# KiCad board RKD07_Assemble_ZWEI.kicad_pcb
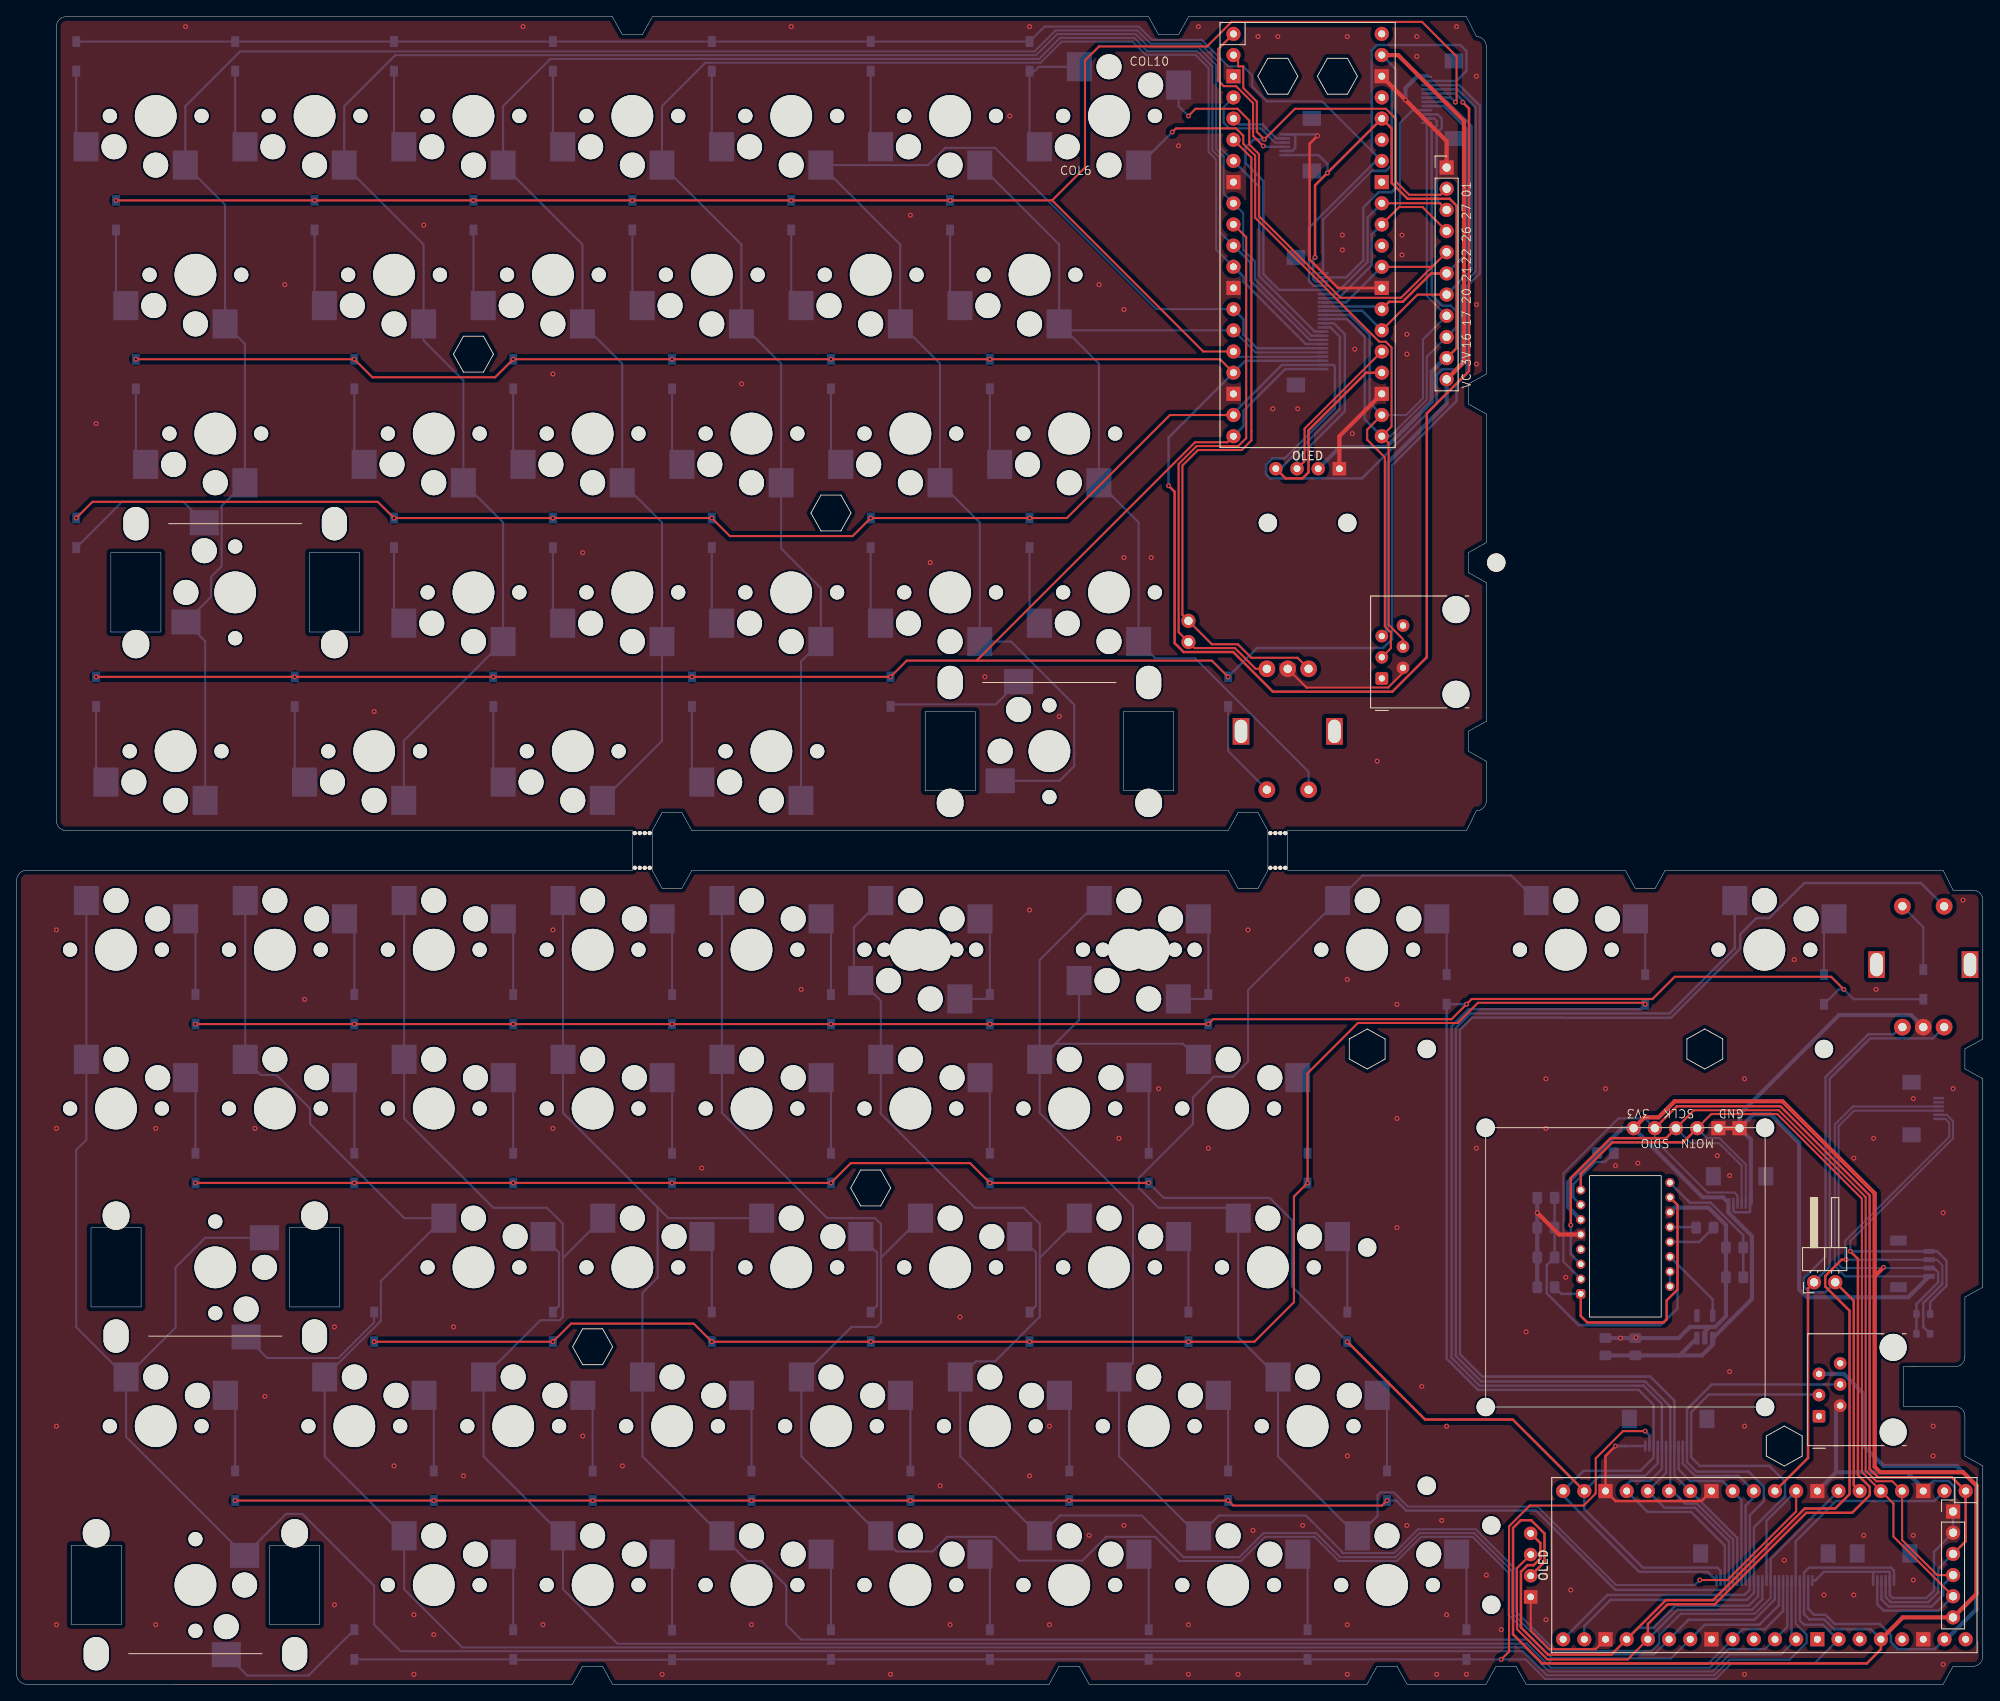
[diagram p0: board, top side]
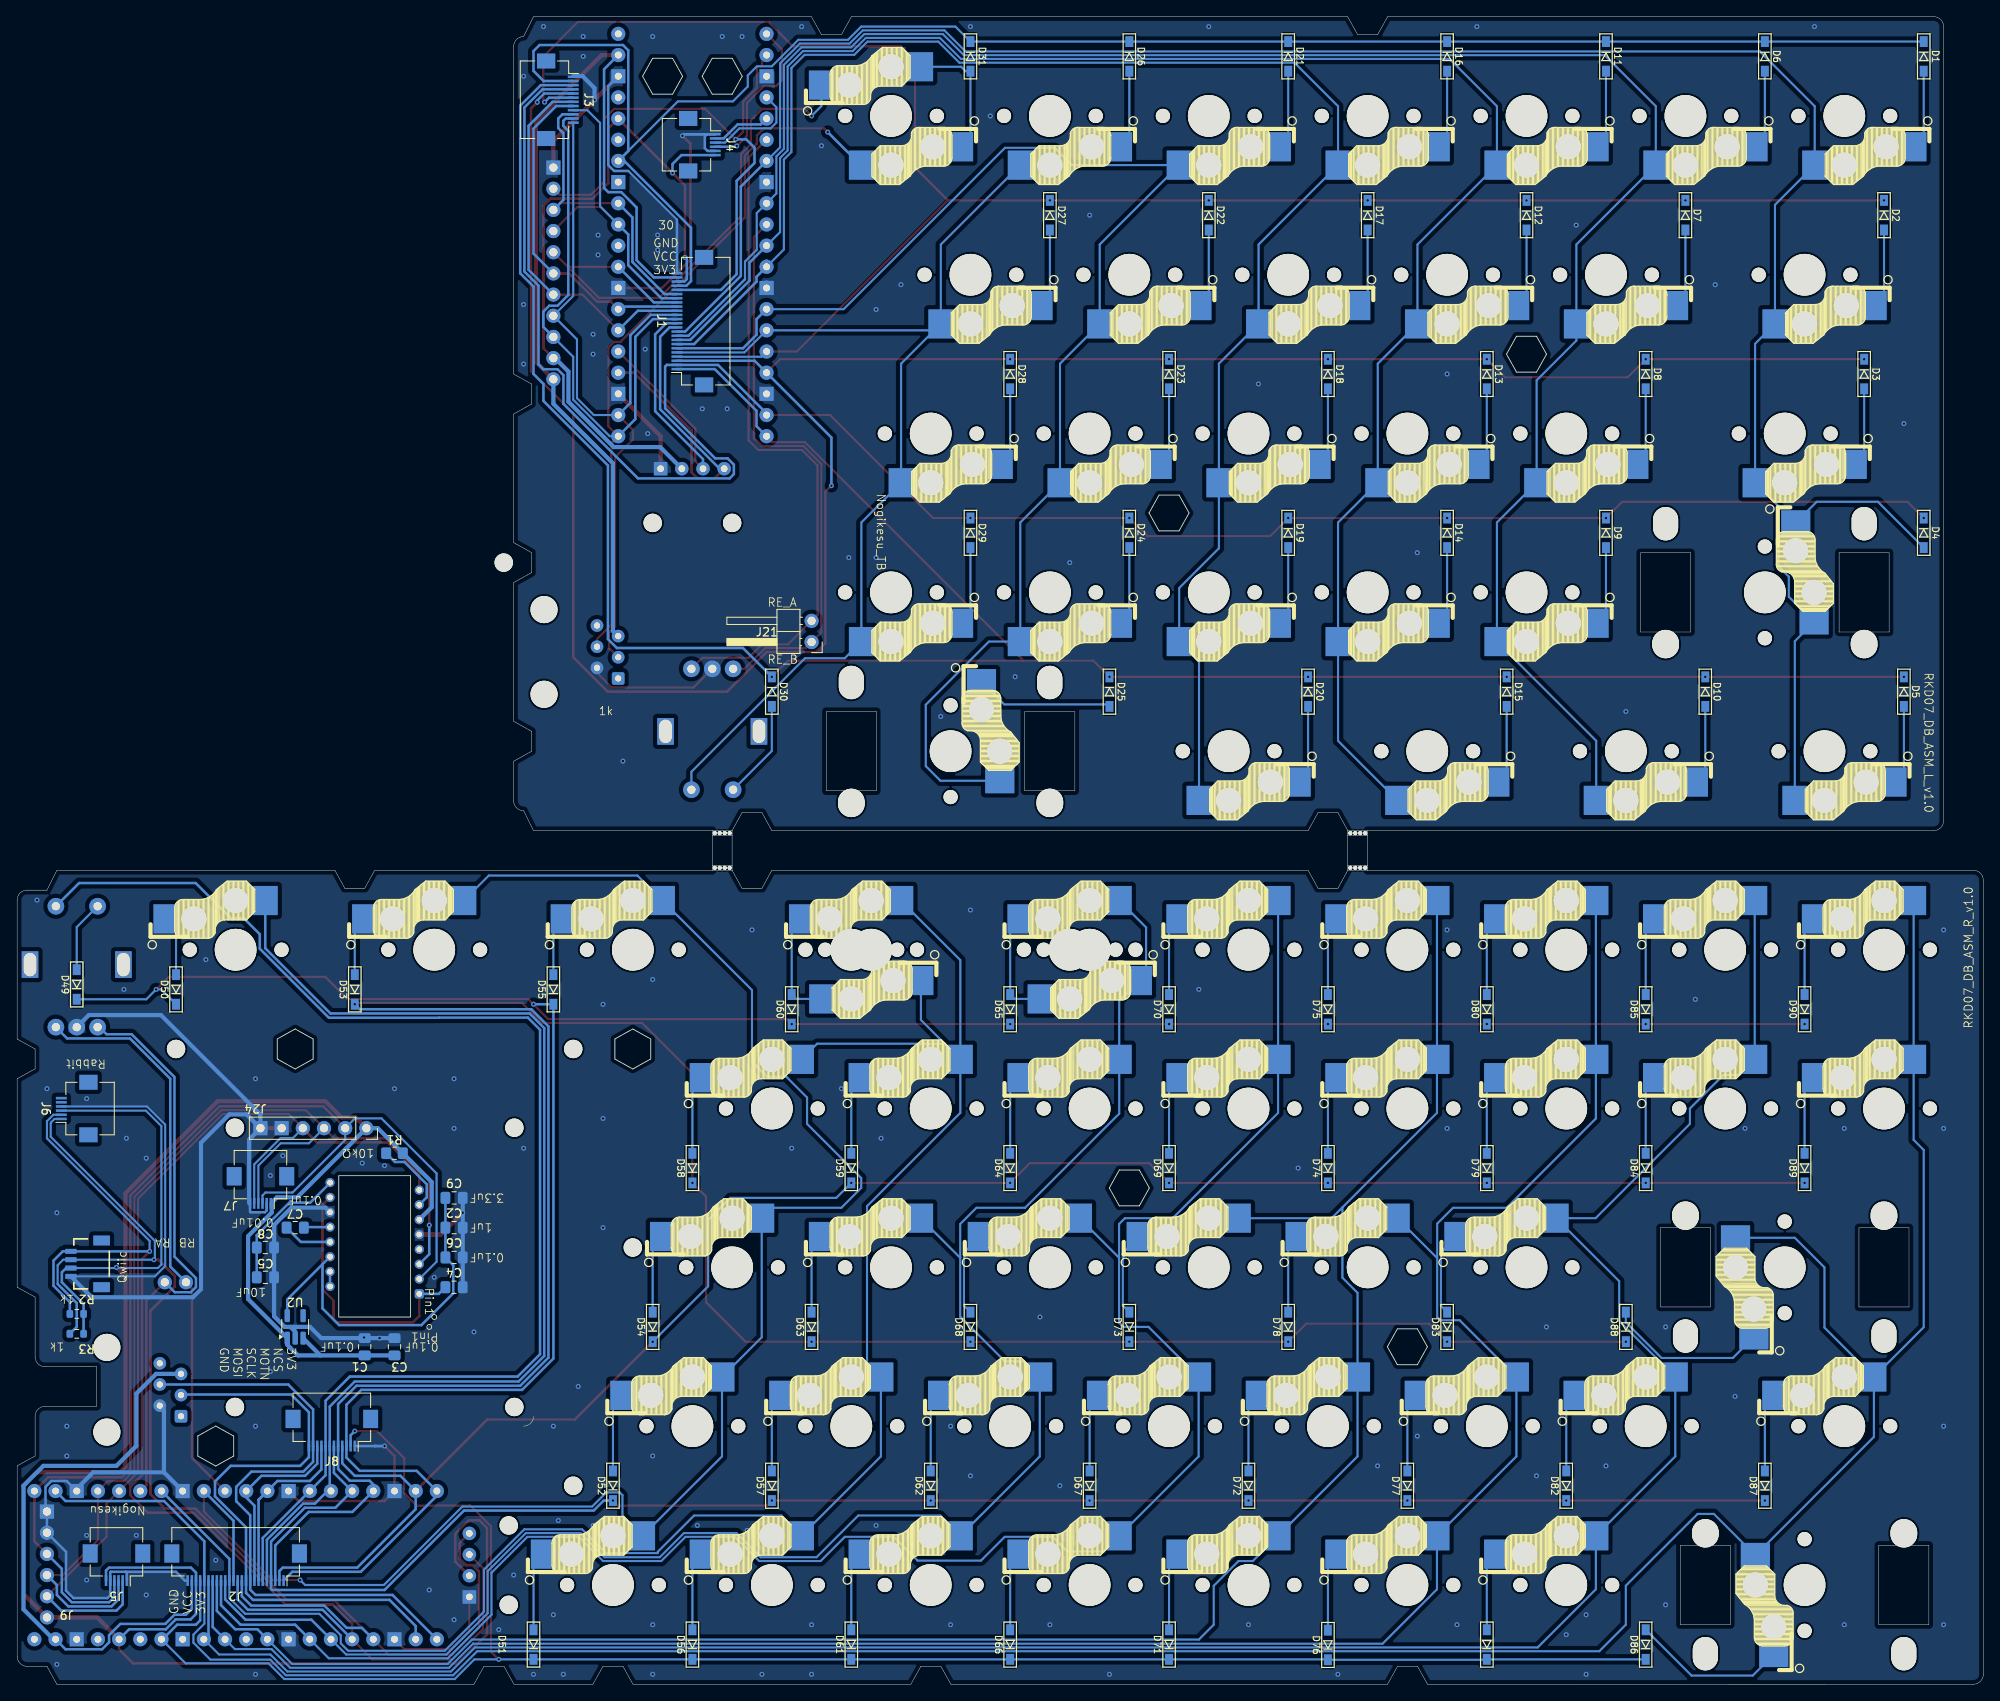
[diagram p1: board, bottom side, seen from below]

Outline 235.74 x 200.03 mm; copper layers: Top, Bottom. Coordinates in mm from the lower left corner of the outline.
Outline path: 0,96.45 arc(0.35,97.29) 1.19,97.64 73.82,97.64 ; 0,96.44 0,1.19 arc(0.35,0.35) 1.19,0.01 ; 73.82,102.4 5.95,102.4 arc(5.11,102.75) 4.76,103.59 4.76,198.84 arc(5.11,199.69) 5.95,200.03 71.42,200.03 72.62,197.88 75.02,197.88 76.22,200.03 135.71,200.03 136.91,197.88 139.31,197.88 140.51,200.03 173.83,200.03 175.02,197.65 arc(175.86,197.3) 176.21,196.46 176.21,157.17 174.06,155.97 174.06,153.57 176.21,152.37 176.21,136.95 174.06,135.75 174.06,133.35 176.21,132.15 176.21,115.52 174.06,114.32 174.06,111.92 176.21,110.72 176.21,105.97 arc(175.86,105.13) 175.01,104.78 173.83,102.4 152.4,102.4 ; 1.19,0 66.64,0.01 67.84,2.16 70.24,2.16 71.44,0.01 123.79,0.01 124.99,2.16 127.39,2.16 128.59,0.01 161.91,0.01 163.11,2.16 165.51,2.16 166.71,0.01 176.18,0.01 177.38,2.16 179.78,2.16 180.98,0.01 230.98,0.01 232.17,2.16 234.55,2.16 arc(235.4,2.51) 235.74,3.36 235.74,26.2 233.59,27.38 233.59,32.16 arc(233.24,33) 232.39,33.35 226.22,33.35 226.22,38.11 232.4,38.1 arc(233.25,38.45) 233.59,39.3 233.59,46.45 235.74,47.63 235.74,72.64 233.59,73.82 233.59,76.22 235.74,77.4 235.74,94.07 ; 73.82,101.81 73.82,98.24 ; 76.2,102.4 77.38,104.55 79.77,104.55 ; 76.2,101.81 76.2,98.24 ; 76.2,97.64 77.38,95.49 79.76,95.49 80.96,97.64 145.26,97.64 146.44,95.49 148.84,95.49 150.02,97.64 ; 79.76,104.55 80.96,102.4 145.26,102.4 146.44,104.55 148.84,104.55 150.02,102.4 ; 150.02,101.81 150.02,98.24 ; 152.4,101.81 152.4,98.24 ; 152.4,97.64 192.88,97.64 194.06,95.49 196.46,95.49 197.64,97.64 230.98,97.64 232.17,95.26 234.55,95.26 arc(235.4,94.91) 235.74,94.06

## Placement (name value [footprint] x y rotation side)
C1  0.1uF X7R  [C_0805_2012Metric_Pad1.18x1.45mm_HandSolder]  194.07 40.49 90 bottom
C2  1uF  [C_0805_2012Metric_Pad1.18x1.45mm_HandSolder]  183.36 54.78 180 bottom
C3  0.1uF X7R  [C_0805_2012Metric_Pad1.18x1.45mm_HandSolder]  190.5 40.49 90 bottom
C4  0.01uF X7R  [C_0805_2012Metric_Pad1.18x1.45mm_HandSolder]  183.36 47.63 180 bottom
C5  10uF X7R  [C_0805_2012Metric_Pad1.18x1.45mm_HandSolder]  205.98 48.82 180 bottom
C6  0.1uF X7R  [C_0805_2012Metric_Pad1.18x1.45mm_HandSolder]  183.36 51.21 180 bottom
C7  0.1uF X7R  [C_0805_2012Metric_Pad1.18x1.45mm_HandSolder]  202.41 54.78 180 bottom
C8  0.01uF X7R  [C_0805_2012Metric_Pad1.18x1.45mm_HandSolder]  205.98 52.4 180 bottom
C9  3.3uF/16V  [C_0805_2012Metric_Pad1.18x1.45mm_HandSolder]  183.36 58.35 180 bottom
D1  D  [Diode_SMD]  7.14 195.27 270 top
D2  D  [Diode_SMD]  11.91 176.22 270 top
D3  D  [Diode_SMD]  14.29 157.17 270 top
D4  D  [Diode_SMD]  7.14 138.12 270 top
D5  D  [Diode_SMD]  9.53 119.07 270 top
D6  D  [Diode_SMD]  26.19 195.27 270 top
D7  D  [Diode_SMD]  35.72 176.22 270 top
D8  D  [Diode_SMD]  40.48 157.17 270 top
D9  D  [Diode_SMD]  45.24 138.12 270 top
D10  D  [Diode_SMD]  33.34 119.07 270 top
D11  D  [Diode_SMD]  45.24 195.27 270 top
D12  D  [Diode_SMD]  54.77 176.22 270 top
D13  D  [Diode_SMD]  59.53 157.17 270 top
D14  D  [Diode_SMD]  64.29 138.12 270 top
D15  D  [Diode_SMD]  57.15 119.07 270 top
D16  D  [Diode_SMD]  64.29 195.27 270 top
D17  D  [Diode_SMD]  73.82 176.22 270 top
D18  D  [Diode_SMD]  78.58 157.17 270 top
D19  D  [Diode_SMD]  83.34 138.12 270 top
D20  D  [Diode_SMD]  80.96 119.07 270 top
D21  D  [Diode_SMD]  83.34 195.27 270 top
D22  D  [Diode_SMD]  92.87 176.22 270 top
D23  D  [Diode_SMD]  97.63 157.17 270 top
D24  D  [Diode_SMD]  102.39 138.12 270 top
D25  D  [Diode_SMD]  104.78 119.07 270 top
D26  D  [Diode_SMD]  102.39 195.27 270 top
D27  D  [Diode_SMD]  111.92 176.22 270 top
D28  D  [Diode_SMD]  116.68 157.17 270 top
D29  D  [Diode_SMD]  121.44 138.12 270 top
D30  D  [Diode_SMD]  145.26 119.07 270 top
D31  D  [Diode_SMD]  121.44 195.27 270 top
D49  D  [Diode_SMD]  228.6 83.95 90 top
D50  D  [Diode_SMD]  216.69 83.35 90 top
D51  D  [Diode_SMD]  173.83 4.77 90 top
D52  D  [Diode_SMD]  164.31 23.82 90 top
D53  D  [Diode_SMD]  195.26 83.35 90 top
D54  D  [Diode_SMD]  159.54 42.87 90 top
D55  D  [Diode_SMD]  171.45 83.35 90 top
D56  D  [Diode_SMD]  154.78 4.77 90 top
D57  D  [Diode_SMD]  145.26 23.82 90 top
D58  D  [Diode_SMD]  154.78 61.92 90 top
D59  D  [Diode_SMD]  135.73 61.92 90 top
D60  D  [Diode_SMD]  142.88 80.97 90 top
D61  D  [Diode_SMD]  135.73 4.77 90 top
D62  D  [Diode_SMD]  126.21 23.82 90 top
D63  D  [Diode_SMD]  140.49 42.87 90 top
D64  D  [Diode_SMD]  116.68 61.92 90 top
D65  D  [Diode_SMD]  116.68 80.97 90 top
D66  D  [Diode_SMD]  116.68 4.77 90 top
D67  D  [Diode_SMD]  107.16 23.82 90 top
D68  D  [Diode_SMD]  121.44 42.87 90 top
D69  D  [Diode_SMD]  97.63 61.92 90 top
D70  D  [Diode_SMD]  97.63 80.97 90 top
D71  D  [Diode_SMD]  97.63 4.77 90 top
D72  D  [Diode_SMD]  88.11 23.82 90 top
D73  D  [Diode_SMD]  102.39 42.87 90 top
D74  D  [Diode_SMD]  78.58 61.92 90 top
D75  D  [Diode_SMD]  78.58 80.97 90 top
D76  D  [Diode_SMD]  78.58 4.72 90 top
D77  D  [Diode_SMD]  69.06 23.82 90 top
D78  D  [Diode_SMD]  83.34 42.87 90 top
D79  D  [Diode_SMD]  59.53 61.92 90 top
D80  D  [Diode_SMD]  59.53 80.97 90 top
D81  D  [Diode_SMD]  59.53 4.77 90 top
D82  D  [Diode_SMD]  50.01 23.82 90 top
D83  D  [Diode_SMD]  64.29 42.87 90 top
D84  D  [Diode_SMD]  40.48 61.92 90 top
D85  D  [Diode_SMD]  40.48 80.97 90 top
D86  D  [Diode_SMD]  40.48 4.77 90 top
D87  D  [Diode_SMD]  26.19 23.82 90 top
D88  D  [Diode_SMD]  42.86 42.87 90 top
D89  D  [Diode_SMD]  21.43 61.92 90 top
D90  D  [Diode_SMD]  21.43 80.97 90 top
hole4  KEY_SWITCH  [rkd_Asm_ChocV2_PCBMountStab_2uL]  26.19 130.98 180 top
hole25  KEY_SWITCH  [rkd_Asm_ChocV2_PCBMountStab_2uL]  123.83 111.93 180 top
hole86  KEY_SWITCH  [rkd_Asm_ChocV2_PCBMountStab_2uL]  21.43 11.92 0 top
hole88  KEY_SWITCH  [rkd_Asm_ChocV2_PCBMountStab_2uL]  23.81 50.02 0 top
J1  Conn_01x24  [Hirose_FH12-24S-0.5SH_1x24-1MP_P0.50mm_Horizontal]  154.78 163.51 90 bottom
J2  Conn_01x24  [Hirose_FH12-24S-0.5SH_1x24-1MP_P0.50mm_Horizontal]  209.55 14.3 0 bottom
J3  Conn_01x12  [Hirose_FH12-12S-0.5SH_1x12-1MP_P0.50mm_Horizontal]  170.92 190.07 270 bottom
J4  Conn_01x06  [Hirose_FH12-6S-0.5SH_1x06-1MP_P0.50mm_Horizontal]  153.89 184.68 270 bottom
J5  Conn_01x06  [Hirose_FH12-6S-0.5SH_1x06-1MP_P0.50mm_Horizontal]  223.84 14.3 0 bottom
J6  Conn_01x06  [Hirose_FH12-6S-0.5SH_1x06-1MP_P0.50mm_Horizontal]  228.6 69.07 90 bottom
J7  Conn_01x06  [Hirose_FH12-6S-0.5SH_1x06-1MP_P0.50mm_Horizontal]  206.57 59.54 0 bottom
J8  Conn_01x12  [Hirose_FH12-12S-0.5SH_1x12-1MP_P0.50mm_Horizontal]  198.01 30.43 0 bottom
J9  Conn_01x06  [PinHeader_1x06_P2.54mm_Vertical]  232.17 20.73 0 top
J21  Conn_01x02_Socket  [PinHeader_1x02_P2.54mm_Horizontal]  140.49 125.02 0 bottom
J22  Conn_01x02_Socket  [PinHeader_1x02_P2.54mm_Horizontal]  215.5 48.23 90 top
J23  Conn_01x10  [PinHeader_1x11_P2.54mm_Vertical]  171.45 181.94 0 top
J24  Conn_01x06  [PinSocket_1x06_P2.54mm_Vertical]  193.87 66.71 270 bottom
J51  RJ12  [RJ12_Amphenol_54601-x06_Horizontal]  163.68 120.65 90 top
J52  RJ12  [RJ12_Amphenol_54601-x06_Horizontal]  216.1 32.16 90 top
J53  Qwiic_RA  [JST_SMD_1.0mm-4_Black]  229.3 50.43 90 bottom
M3  Mark  [m2_Spacer_Hole_hex]  54.77 159.55 0 top
M4  Mark  [m2_Spacer_Hole_hex]  97.63 140.5 0 top
M5  Mark  [m2_Spacer_Hole_hex]  102.39 59.54 180 top
M6  Mark  [m2_Spacer_Hole_hex]  69.06 40.49 180 top
OL1  OLED  [OLED_center_display]  154.78 164.32 0 top
OL2  OLED  [OLED_center_display]  200.03 14.3 270 top
Picot**  -  [rkd_picot5400_BTM]  192.88 50.02 180 top
Point1  Guard_Screw_Hall  [rkd_Guard_Screw_Hall]  206.57 14.3 180 top
Point1#2  Guard_Screw_Hall  [rkd_Guard_Screw_Hall]  154.78 169.08 270 top
R1  10k  [R_0805_2012Metric_Pad1.20x1.40mm_HandSolder]  190.5 63.71 180 bottom
R2  1kΩ  [R_0603_1608Metric]  228.6 44.43 0 bottom
R3  1kΩ  [R_0603_1608Metric]  228.6 42.05 0 bottom
REF**  -  [rkd_cutdot]  151.21 102.11 0 top
Ref**  Val**  [m2_Spacer_Hole_hex]  151.21 192.89 0 top
REF**#2  -  [rkd_cutdot]  75.01 102.11 0 top
Ref**#2  Val**  [m2_Screw_Hole]  169.07 76.21 0 top
REF**#3  -  [rkd_cutdot]  151.21 97.94 0 top
Ref**#3  Val**  [m2_Spacer_Hole_hex]  202.41 76.21 270 top
Ref**#4  Val**  [m2_Screw_Hole]  161.93 52.4 0 top
REF**#4  -  [rkd_cutdot]  75.01 97.94 0 top
Ref**#5  Val**  [m2_Spacer_Hole_hex]  161.93 76.21 90 top
Ref**#6  Val**  [m2_Spacer_Hole_hex]  158.35 192.89 0 top
Ref**#7  Val**  [m2_Screw_Hole]  169.07 23.82 0 top
Ref**#8  Val**  [m2_Spacer_Hole_hex]  211.93 28.58 90 top
Ref**#9  Val**  [m2_Screw_Hole]  177.4 134.55 0 top
Ref**#10  Val**  [m2_Screw_Hole]  216.69 76.21 180 bottom
SW1  SW_Push  [rkd_Asm_ChocV1V2_Hotswap_1u_NM]  16.67 188.13 0 top
SW2  SW_Push  [rkd_Asm_ChocV1V2_Hotswap_1u_NM]  21.43 169.08 0 top
SW3  SW_Push  [rkd_Asm_ChocV1V2_Hotswap_1u_NM]  23.81 150.03 0 top
SW4  SW_Push  [rkd_Asm_ChocV1V2_Hotswap_1u_NM]  26.19 130.98 270 top
SW5  SW_Push  [rkd_Asm_ChocV1V2_Hotswap_1u_NM]  19.05 111.93 0 top
SW6  SW_Push  [rkd_Asm_ChocV1V2_Hotswap_1u_NM]  35.72 188.13 0 top
SW7  SW_Push  [rkd_Asm_ChocV1V2_Hotswap_1u_NM]  45.24 169.08 0 top
SW8  SW_Push  [rkd_Asm_ChocV1V2_Hotswap_1u_NM]  50.01 150.03 0 top
SW9  SW_Push  [rkd_Asm_ChocV1V2_Hotswap_1u_NM]  54.77 130.98 0 top
SW10  SW_Push  [rkd_Asm_ChocV1V2_Hotswap_1u_NM]  42.86 111.93 0 top
SW11  SW_Push  [rkd_Asm_ChocV1V2_Hotswap_1u_NM]  54.77 188.13 0 top
SW12  SW_Push  [rkd_Asm_ChocV1V2_Hotswap_1u_NM]  64.29 169.08 0 top
SW13  SW_Push  [rkd_Asm_ChocV1V2_Hotswap_1u_NM]  69.06 150.03 0 top
SW14  SW_Push  [rkd_Asm_ChocV1V2_Hotswap_1u_NM]  73.82 130.98 0 top
SW15  SW_Push  [rkd_Asm_ChocV1V2_Hotswap_1u_NM]  66.68 111.93 0 top
SW16  SW_Push  [rkd_Asm_ChocV1V2_Hotswap_1u_NM]  73.82 188.13 0 top
SW17  SW_Push  [rkd_Asm_ChocV1V2_Hotswap_1u_NM]  83.34 169.08 0 top
SW18  SW_Push  [rkd_Asm_ChocV1V2_Hotswap_1u_NM]  88.11 150.03 0 top
SW19  SW_Push  [rkd_Asm_ChocV1V2_Hotswap_1u_NM]  92.87 130.98 0 top
SW20  SW_Push  [rkd_Asm_ChocV1V2_Hotswap_1u_NM]  90.49 111.93 0 top
SW21  SW_Push  [rkd_Asm_ChocV1V2_Hotswap_1u_NM]  92.87 188.13 0 top
SW22  SW_Push  [rkd_Asm_ChocV1V2_Hotswap_1u_NM]  102.39 169.08 0 top
SW23  SW_Push  [rkd_Asm_ChocV1V2_Hotswap_1u_NM]  107.16 150.03 0 top
SW24  SW_Push  [rkd_Asm_ChocV1V2_Hotswap_1u_NM]  111.92 130.98 0 top
SW25  SW_Push  [rkd_Asm_ChocV1V2_Hotswap_1u_NM]  123.83 111.93 270 top
SW26  SW_Push  [rkd_Asm_ChocV1V2_Hotswap_1u_NM]  111.92 188.13 0 top
SW27  SW_Push  [rkd_Asm_ChocV1V2_Hotswap_1u_NM]  121.44 169.08 0 top
SW28  SW_Push  [rkd_Asm_ChocV1V2_Hotswap_1u_NM]  126.21 150.03 0 top
SW29  SW_Push  [rkd_Asm_ChocV1V2_Hotswap_1u_NM]  130.97 130.98 0 top
SW30  RotaryEncoder_Switch  [RotaryEncoder_EC11-Switch]  152.4 114.31 180 top
SW31  SW_Push  [rkd_Asm_ChocV1V2_Hotswap_1u_NM]  130.97 188.13 0 top
SW32  SW_Push  [rkd_Asm_ChocV1V2_Hotswap_1u_NM#2]  130.97 188.13 180 top
SW49  RotaryEncoder_Switch  [RotaryEncoder_EC11-Switch]  228.6 86.33 0 top
SW50  SW_Push  [rkd_Asm_ChocV1V2_Hotswap_1u_NM]  209.55 88.12 180 top
SW51  SW_Push  [rkd_Asm_ChocV1V2_Hotswap_1u_NM]  164.31 11.92 180 top
SW52  SW_Push  [rkd_Asm_ChocV1V2_Hotswap_1u_NM]  154.78 30.97 180 top
SW53  SW_Push  [rkd_Asm_ChocV1V2_Hotswap_1u_NM]  185.74 88.12 180 top
SW54  SW_Push  [rkd_Asm_ChocV1V2_Hotswap_1u_NM]  150.02 50.02 180 top
SW55  SW_Push  [rkd_Asm_ChocV1V2_Hotswap_1u_NM]  161.92 88.12 180 top
SW56  SW_Push  [rkd_Asm_ChocV1V2_Hotswap_1u_NM]  145.26 11.92 180 top
SW57  SW_Push  [rkd_Asm_ChocV1V2_Hotswap_1u_NM]  135.73 30.97 180 top
SW58  SW_Push  [rkd_Asm_ChocV1V2_Hotswap_1u_NM]  145.26 69.07 180 top
SW59  SW_Push  [rkd_Asm_ChocV1V2_Hotswap_1u_NM]  126.21 69.07 180 top
SW60  SW_Push  [rkd_Asm_ChocV1V2_Hotswap_1u_twei0.25_A_NM]  133.35 88.12 180 top
SW61  SW_Push  [rkd_Asm_ChocV1V2_Hotswap_1u_NM]  126.21 11.92 180 top
SW62  SW_Push  [rkd_Asm_ChocV1V2_Hotswap_1u_NM]  116.68 30.97 180 top
SW63  SW_Push  [rkd_Asm_ChocV1V2_Hotswap_1u_NM]  130.97 50.02 180 top
SW64  SW_Push  [rkd_Asm_ChocV1V2_Hotswap_1u_NM]  107.16 69.07 180 top
SW65  SW_Push  [rkd_Asm_ChocV1V2_Hotswap_1u_twei0.25_A_NM]  107.16 88.12 180 top
SW66  SW_Push  [rkd_Asm_ChocV1V2_Hotswap_1u_NM]  107.16 11.92 180 top
SW67  SW_Push  [rkd_Asm_ChocV1V2_Hotswap_1u_NM]  97.63 30.97 180 top
SW68  SW_Push  [rkd_Asm_ChocV1V2_Hotswap_1u_NM]  111.92 50.02 180 top
SW69  SW_Push  [rkd_Asm_ChocV1V2_Hotswap_1u_NM]  88.11 69.07 180 top
SW70  SW_Push  [rkd_Asm_ChocV1V2_Hotswap_1u_NM]  88.11 88.12 180 top
SW71  SW_Push  [rkd_Asm_ChocV1V2_Hotswap_1u_NM]  88.11 11.92 180 top
SW72  SW_Push  [rkd_Asm_ChocV1V2_Hotswap_1u_NM]  78.58 30.97 180 top
SW73  SW_Push  [rkd_Asm_ChocV1V2_Hotswap_1u_NM]  92.87 50.02 180 top
SW74  SW_Push  [rkd_Asm_ChocV1V2_Hotswap_1u_NM]  69.06 69.07 180 top
SW75  SW_Push  [rkd_Asm_ChocV1V2_Hotswap_1u_NM]  69.06 88.12 180 top
SW76  SW_Push  [rkd_Asm_ChocV1V2_Hotswap_1u_NM]  69.06 11.92 180 top
SW77  SW_Push  [rkd_Asm_ChocV1V2_Hotswap_1u_NM]  59.53 30.97 180 top
SW78  SW_Push  [rkd_Asm_ChocV1V2_Hotswap_1u_NM]  73.82 50.02 180 top
SW79  SW_Push  [rkd_Asm_ChocV1V2_Hotswap_1u_NM]  50.01 69.07 180 top
SW80  SW_Push  [rkd_Asm_ChocV1V2_Hotswap_1u_NM]  50.01 88.12 180 top
SW81  SW_Push  [rkd_Asm_ChocV1V2_Hotswap_1u_NM]  50.01 11.92 180 top
SW82  SW_Push  [rkd_Asm_ChocV1V2_Hotswap_1u_NM]  40.48 30.97 180 top
SW83  SW_Push  [rkd_Asm_ChocV1V2_Hotswap_1u_NM]  54.77 50.02 180 top
SW84  SW_Push  [rkd_Asm_ChocV1V2_Hotswap_1u_NM]  30.96 69.07 180 top
SW85  SW_Push  [rkd_Asm_ChocV1V2_Hotswap_1u_NM]  30.96 88.12 180 top
SW86  SW_Push  [rkd_Asm_ChocV1V2_Hotswap_1u_NM]  21.43 11.92 90 top
SW87  SW_Push  [rkd_Asm_ChocV1V2_Hotswap_1u_NM]  16.67 30.97 180 top
SW88  SW_Push  [rkd_Asm_ChocV1V2_Hotswap_1u_NM]  23.81 50.02 90 top
SW89  SW_Push  [rkd_Asm_ChocV1V2_Hotswap_1u_NM]  11.91 69.07 180 top
SW90  SW_Push  [rkd_Asm_ChocV1V2_Hotswap_1u_NM]  11.91 88.12 180 top
U1  Pico  [rkd_RPi_Pico_TH_NODBG]  154.78 173.84 0 top
U2  TLV70019DDCR  [SOT-23-5_HandSoldering]  202.41 42.87 90 bottom
U3  -  [PMW3610DM-SUDU]  192.88 50.02 90 top
U4  Pico  [rkd_RPi_Pico_TH_NODBG]  209.55 14.3 270 top

## Library data of the parts
C1 C3 C6 C7 = -: Datasheet: https://www.zaikostore.com/zaikostore/stockDetail?productIdOfHitotsukara=pr18030662&productName_forFind=C0805C104J5RACAUTO&typeStock_forFind=all; Description: Unpolarized capacitor, small symbol; ki_fp_filters: C_*
C2 = -: Datasheet: https://www.zaikostore.com/zaikostore/stockDetail?productIdOfHitotsukara=pr15192734&productName_forFind=MSASL219SB5105KTNA01+(LMK212BJ105KD-T)&typeStock_forFind=all; Description: Unpolarized capacitor, small symbol; ki_fp_filters: C_*
C4 C8 = -: Datasheet: https://www.zaikostore.com/zaikostore/stockDetail?stockID=st39583481&productIdOfHitotsukara=pr13857527&qtyProductAll=3450.0; Description: Unpolarized capacitor, small symbol; ki_fp_filters: C_*
C5 = -: Datasheet: https://www.zaikostore.com/zaikostore/stockDetail?stockID=st47356945&productIdOfHitotsukara=pr15192624&qtyProductAll=8270.0; Description: Unpolarized capacitor, small symbol; ki_fp_filters: C_*
C9 = -: Datasheet: https://www.zaikostore.com/zaikostore/stockDetail?productIdOfHitotsukara=pr7759198&productName_forFind=C2012X5R1C335K060AC&typeStock_forFind=all; Description: Unpolarized capacitor, small symbol; ki_fp_filters: C_*
D1-D31 D49-D90 = -: Description: Diode; Sim.Pins: 1=K 2=A; ki_fp_filters: TO-???* *_Diode_* *SingleDiode* D_*
J1 J2 = -: Description: Generic connector, single row, 01x24, script generated (kicad-library-utils/schlib/autogen/connector/); ki_fp_filters: Connector*:*_1x??_*
J3 J8 = -: Description: Generic connector, single row, 01x12, script generated (kicad-library-utils/schlib/autogen/connector/); ki_fp_filters: Connector*:*_1x??_*
J4-J7 J9 J24 = -: Description: Generic connector, single row, 01x06, script generated (kicad-library-utils/schlib/autogen/connector/); ki_fp_filters: Connector*:*_1x??_*
J21 J22 = -: Description: Generic connector, single row, 01x02, script generated (kicad-library-utils/schlib/autogen/connector/); ki_fp_filters: Connector*:*_1x??_*
J23 = -: Description: Generic connector, single row, 01x11, script generated (kicad-library-utils/schlib/autogen/connector/); ki_fp_filters: Connector*:*_1x??_*
J51 J52 = -: Description: RJ connector, 6P6C (6 positions 6 connected); ki_fp_filters: 6P6C* RJ12* RJ18* RJ25*
J53 = -: Datasheet: https://www.jst-mfg.com/product/pdf/eng/eSH.pdf; Description: 4 pin JST 1mm polarized connector for I2C; PROD_ID: CONN-13694; ki_fp_filters: Connector*:*_1x??_*
R1 = -: Datasheet: https://www.zaikostore.com/zaikostore/stockDetail?stockID=st49073235&productIdOfHitotsukara=pr4066689&qtyProductAll=118737.0; Description: Resistor; ki_fp_filters: R_*
R2 R3 = -: ki_fp_filters: R_*
SW1-SW29 SW31 SW32 SW50-SW90 = -: Description: Push button switch, generic, two pins
SW30 SW49 = -: Description: Rotary encoder, dual channel, incremental quadrate outputs, with switch; ki_fp_filters: RotaryEncoder*Switch*
U2 = -: Datasheet: http://www.ti.com/lit/ds/symlink/tlv700.pdf; Description: 200mA Low Dropout Voltage Regulator, Fixed Output 1.9V, SOT-23-5; ki_fp_filters: SOT?23*
